# Altium PCB NFC_EEG.PcbDoc (part 2 of 3)
Units mm, origin at the board's own origin, x right, y up, seen from the top; angles counter-clockwise.
Board outline 56 x 56 mm, 4 copper layers (Top Layer, signal1, signal2, Bottom Layer), stack 0.78 mm thick; 398 components, 204 nets, 1107 pads, 469 vias.
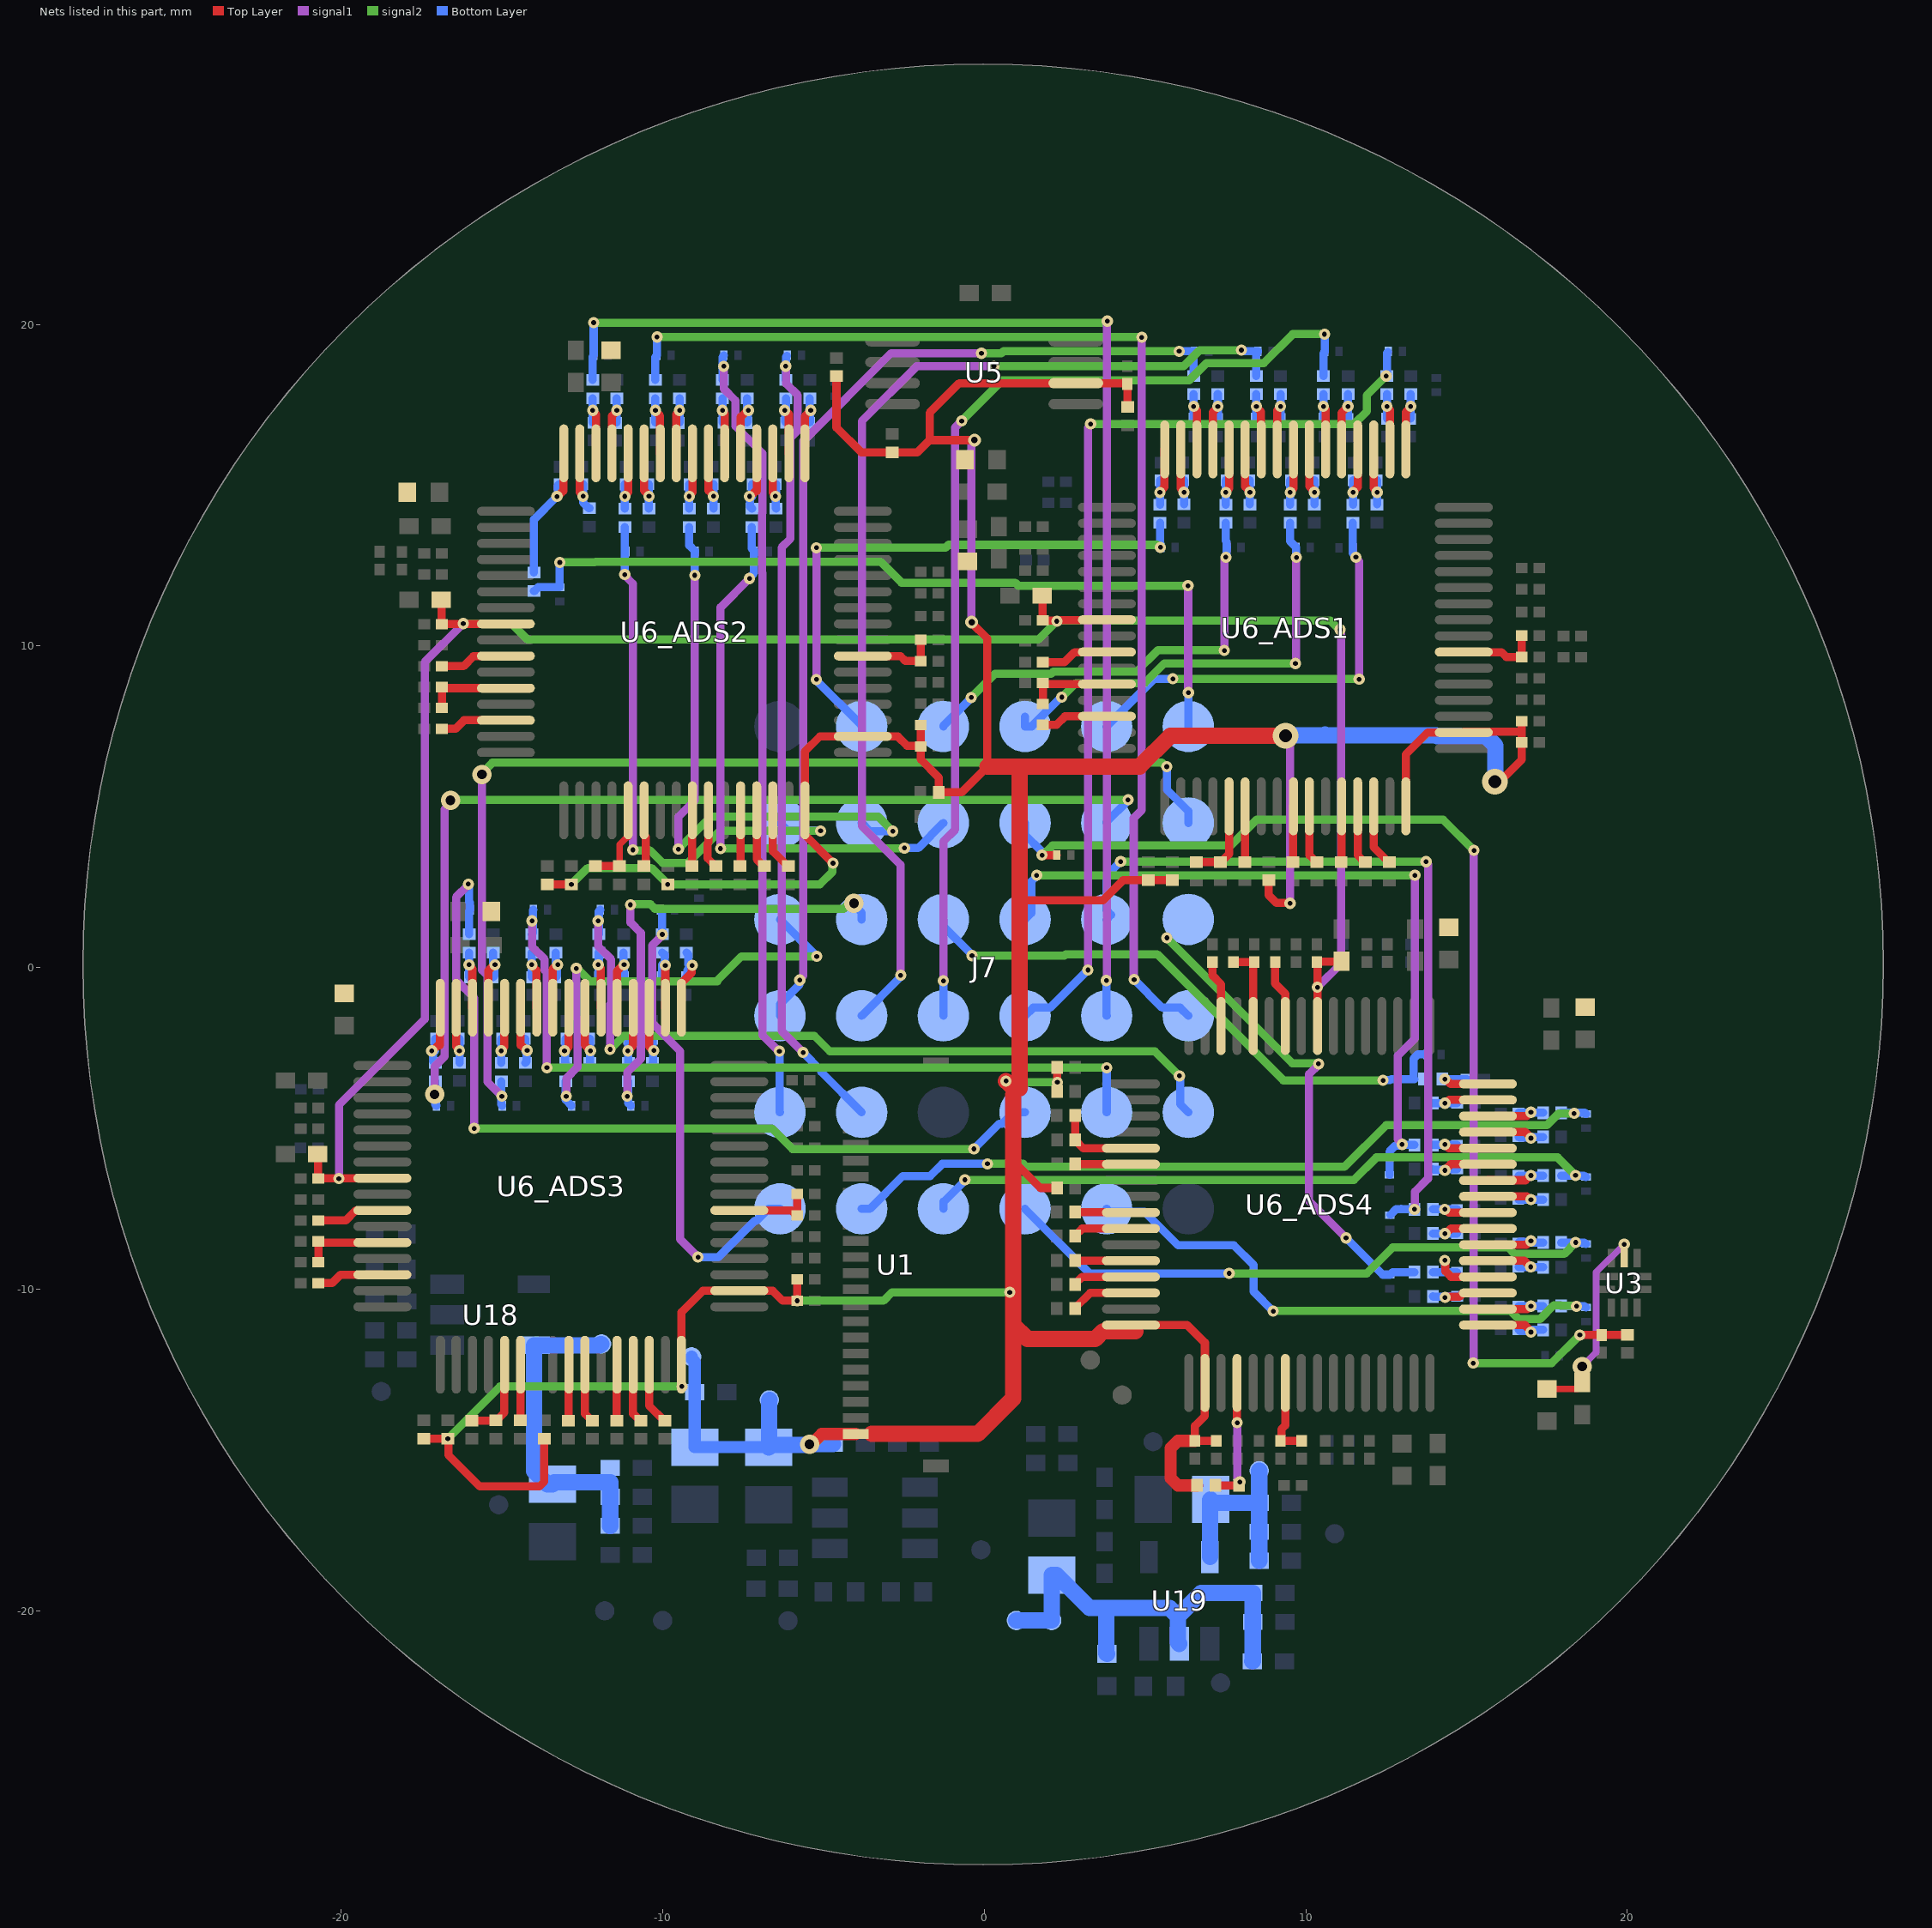
[diagram p4: the nets of this part, all layers, seen from the top]

## Via types
v1: diameter 0.35, hole 0.15, Top Layer to Bottom Layer, tented both sides, 392 vias
v2: diameter 0.6, hole 0.3, Top Layer to Bottom Layer, tented both sides, 66 vias
v3: diameter 0.8, hole 0.4, Top Layer to Bottom Layer, tented both sides, 8 vias
v4: diameter 0.4, hole 0.2, Top Layer to Bottom Layer, tented both sides, 2 vias
v5: diameter 0.6, hole 0.3, Top Layer to Bottom Layer, 1 vias

## Nets (pads, with @x,y where several pads share a name; then routed paths per layer and width w, separated by ;. In a path a pad name is that pad's centre, name@x,y a point inside that pad or via, vN(x,y) a via of type N, cw(c..) or ccw(c..) an arc to the next point about the centre after c; other vN are vias at no path point)
3V3: C18.1 C35_ADS1.1 C35_ADS2.1 C35_ADS3.1 C35_ADS4.1 C36_ADS1.1 C36_ADS2.1 C36_ADS3.1 C36_ADS4.1 C97.1 C102.1 L1.1 L3.1 R1.1 R15.1 R16.1 R17.1 R23.1 R25_ADS1.1 R25_ADS2.1 R25_ADS3.1 R25_ADS4.1 R33_ADS1.1 R33_ADS2.1 R33_ADS3.1 R33_ADS4.1 R34_ADS1.1 R34_ADS2.1 R34_ADS3.1 R34_ADS4.1 TP3.1 TP9.1 U1.1 U5.6 U6_ADS1.48 U6_ADS1.50 U6_ADS2.48 U6_ADS2.50 U6_ADS3.48 U6_ADS3.50 U6_ADS4.48 U6_ADS4.50 | length 162.1
  Top Layer w0.254: R34_ADS3.1@-17.431,-14.646 v1(-16.681,-14.646) -16.665,-14.646 -16.665,-15.154 -15.685,-16.134 -13.834,-16.134 -13.681,-15.981 R25_ADS3.1@-13.681,-14.646 ; R34_ADS2.1@-13.59,2.591 v1(-12.84,2.591) ; U6_ADS3.48@-9.416,-12.346 -9.416,-10.716 -8.751,-10.051 -7.621,-10.051 U6_ADS3.50@-7.616,-10.046 -7.611,-10.051 -6.574,-10.051 -6.267,-10.358 v1(-5.815,-10.358) C35_ADS3.1@-5.815,-9.694 ; v1(-4.701,3.249) -4.701,3.253 -5.575,4.127 U6_ADS2.48@-5.575,4.891 -5.575,6.725 -5.109,7.191 U6_ADS2.50@-3.775,7.191 -3.77,7.186 -2.686,7.186 -2.4,6.9 -1.995,6.9 C36_ADS2.1@-1.974,6.879 ; R15.1@-4.594,18.391 -4.594,16.794 -3.824,16.024 R16.1@-2.861,16.024 -2.076,16.024 -1.698,16.402 v4@-0.405,16.402 ; C35_ADS2.1@-1.974,7.543 C36_ADS2.1@-1.974,6.879 ; -1.698,16.402 -1.698,17.254 -0.777,18.175 U5.6@2.85,18.175 2.861,18.164 4.438,18.164 C18.1@4.449,18.153 4.454,18.148 4.454,17.437 R17.1@4.459,17.432 ; v4(-0.392,10.741) -0.392,10.723 0.1,10.231 0.1,6.252 -0.702,5.45 R23.1@-1.415,5.45 -1.415,5.915 -1.974,6.474 C36_ADS2.1@-1.974,6.879 ; 1.067,-6.167 1.75,-6.85 R25_ADS4.1@2.265,-6.85 ; 1.1,2.1 3.7,2.1 4.315,2.715 R34_ADS1.1@5.1,2.715 R33_ADS1.1@5.85,2.715 ; R33_ADS4.1@2.265,-3.85 2.271,-3.844 2.271,-3.572 v1(2.276,-3.566) 2.271,-3.56 2.271,-3.106 R34_ADS4.1@2.265,-3.1 ; U6_ADS4.48@4.7,-11.115 6.315,-11.115 6.865,-11.665 U6_ADS4.50@6.865,-12.915 6.86,-12.92 6.86,-13.94 6.553,-14.247 C36_ADS4.1@6.553,-14.716 C35_ADS4.1@7.217,-14.716 ; R25_ADS1.1@8.85,2.715 8.85,2.25 9.082,2.018 9.495,2.018 v1(9.514,2) ; U6_ADS1.48@13.115,5.015 13.115,6.633 13.792,7.31 U6_ADS1.50@14.91,7.31 ; U6_ADS1.50@14.915,7.335 16.716,7.335 ; v3(15.888,5.788) 16.035,5.788 16.716,6.468 C36_ADS1.1@16.716,7.003 16.716,7.335 ; C35_ADS1.1@16.716,7.667 16.716,7.335
  Top Layer w0.381: v2(-5.433,-14.823) -5.374,-14.823 -5.051,-14.5 U1.1@-4,-14.5 ; C36_ADS4.1@6.553,-14.716 6.023,-14.716 5.8,-14.939 5.8,-15.877 6.023,-16.1 R1.1@6.615,-16.1
  Top Layer w0.508: -3.5,-14.5 -0.2,-14.5 0.9,-13.4 0.9,-11.1 ; 0.1,6.252 1.1,6.252 ; v1(0.679,-3.526) 0.904,-3.75 1.1,-3.75 1.1,2.1 1.1,6.252 ; 0.9,-3.95 0.9,-11.1 ; 4.7,-11.3 3.7,-11.3 3.456,-11.544 1.344,-11.544 0.9,-11.1 ; v3(9.368,7.206) 5.789,7.206 4.835,6.252 1.1,6.252
  signal1 w0.254: v4@-0.405,16.402 -0.398,16.395 -0.398,10.748 v4(-0.392,10.741) ; v3(9.368,7.206) 9.368,7.058 9.514,6.912 v1(9.514,2)
  signal2 w0.254: v1(-16.681,-14.646) -15.058,-13.023 v1(-9.4,-13.023) ; v1(-12.84,2.591) -12.331,3.1 -10.349,3.1 v1(-9.84,2.591) -5.109,2.591 -4.719,2.981 -4.719,3.231 v1(-4.701,3.249) ; v1(-5.815,-10.358) -3.131,-10.358 -2.868,-10.095 v1(0.795,-10.095) ; v1(0.679,-3.526) 0.705,-3.526 0.746,-3.566 v1(2.276,-3.566)
  Bottom Layer w0.381: TP9.1@-9.1,-12.1 -9.1,-12.159 -9,-12.259 C102.1@-9,-13.2 L3.1@-9,-14.91 -6.71,-14.91 L1.1@-6.7,-14.92
  Bottom Layer w0.508: L1.1@-6.7,-14.92 L1.1@-6.69,-14.91 ; TP3.1@-6.681,-13.44 -6.69,-13.45 L1.1@-6.69,-14.91 ; C97.1@-4.7,-14.81 -4.704,-14.814 -5.424,-14.814 -5.451,-14.84 -6.62,-14.84 L1.1@-6.69,-14.91 ; v3(9.368,7.206) 9.39,7.228 10.578,7.228 10.6,7.25 10.625,7.225 14.055,7.225 14.08,7.2 15.602,7.2 15.9,6.902 v3@15.9,5.8
  other v4: -0.305,16.402
+2.5v: C106.1 C107.1 C108.1 L4.1 TP8.1 U18.5 | length 9.9
  Bottom Layer w0.508: TP8.1@-11.9,-11.7 -11.925,-11.7 -11.965,-11.74 U18.5@-14,-11.74 -14,-15.652 -13.586,-16.066 L4.1@-13.431,-16.066 -13.371,-16.006 -11.631,-16.006 C108.1@-11.631,-16.456 C107.1@-11.631,-17.356
-2.5v: C112.1 C113.1 C114.1 L5.1 TP13.1 U19.5 | length 6.1
  Bottom Layer w0.508: U19.5@7.02,-18.323 7.031,-18.312 7.031,-16.551 L5.1@7.042,-16.54 7.138,-16.636 C114.1@8.548,-16.636 ; C113.1@8.552,-18.44 C112.1@8.552,-17.54 C114.1@8.552,-16.64 TP13.1@8.552,-15.64
-VCCOUT: C101.1 C110.1 C111.1 L2.2 R57.2 TP4.1 TP14.1 U19.2 | length 14.1
  Bottom Layer w0.508: TP4.1@1,-20.3 TP14.1@2.1,-20.3 L2.2@2.1,-18.89 2.255,-18.89 3.28,-19.915 3.8,-19.915 ; R57.2@3.82,-21.338 3.8,-21.318 3.8,-19.915 ; U19.2@6.061,-21.032 U19.2@6.07,-21.023 6.024,-20.977 6.024,-20.166 ; C101.1@8.338,-21.568 8.348,-21.568 8.352,-21.564 C110.1@8.352,-20.34 C111.1@8.352,-19.44 6.75,-19.44 6.024,-20.166 ; 3.8,-19.915 5.772,-19.915 6.024,-20.166
ADS1_BIAS_DRV: C64.1 R21.2 U3.9 | length 6
  Top Layer w0.203: R21.2@17.5,-13.1 18.45,-13.1 18.6,-12.95 C64.1@18.6,-12.9 ; U3.9@19.9,-9.031 19.902,-9.03 v1(19.904,-8.6) v1(19.904,-8.6)
  signal1 w0.203: v5(18.6,-12.4) 19.029,-11.971 19.029,-9.471 19.9,-8.6 v1(19.904,-8.6)
ADS1_CLK_ADS1: R27_ADS1.2 R31_ADS1.1 U6_ADS1.37 | length 2.6
  Top Layer w0.254: R31_ADS1.1@6.6,3.28 6.603,3.282 7.347,3.282 R27_ADS1.2@7.35,3.285 7.37,3.285 7.615,3.53 U6_ADS1.37@7.615,5.015
ADS1_CLK_ADS2: R27_ADS2.2 R31_ADS2.1 U6_ADS2.37 | length 2.6
  Top Layer w0.203: R27_ADS2.2@-11.34,3.161 -11.34,3.826 U6_ADS2.37@-11.08,4.086
  Top Layer w0.254: R31_ADS2.1@-12.09,3.156 -12.087,3.159 -11.342,3.159 R27_ADS2.2@-11.34,3.161 ; U6_ADS2.37@-11.08,4.086 -11.08,4.886 U6_ADS2.37@-11.075,4.891
ADS1_CLK_ADS3: R27_ADS3.2 R31_ADS3.1 U6_ADS3.37 | length 2.6
  Top Layer w0.254: R31_ADS3.1@-15.935,-14.085 R31_ADS3.1@-15.931,-14.081 -15.187,-14.082 -15.185,-14.08 -15.165,-14.08 -14.92,-13.835 U6_ADS3.37@-14.92,-12.35
ADS1_CLK_ADS4: R27_ADS4.2 R31_ADS4.1 U6_ADS4.37 | length 2.6
  Top Layer w0.254: R31_ADS4.1@2.83,-4.6 2.832,-4.603 2.832,-5.347 R27_ADS4.2@2.835,-5.35 2.835,-5.37 3.08,-5.615 U6_ADS4.37@4.565,-5.615
ADS1_CLKSEL_ADS4: R1.2 R2.2 U6_ADS4.52 | length 3.9
  Top Layer w0.254: R1.2@7.185,-16.1 7.842,-16.1 v1(7.952,-15.99) ; v1@7.86,-14.16 7.86,-12.92 U6_ADS4.52@7.865,-12.915
  signal1 w0.254: v1(7.869,-14.151) 7.869,-15.907 v1(7.952,-15.99)
ADS1_DAISY_IN_ADS1: R38_ADS1.1 U6_ADS1.41 | length 1.7
  Top Layer w0.254: R38_ADS1.1@9.6,3.28 9.61,3.29 9.61,5.01 U6_ADS1.41@9.615,5.015
ADS1_DAISY_IN_ADS2: R38_ADS2.1 U6_ADS2.41 | length 1.7
  Top Layer w0.254: R38_ADS2.1@-9.09,3.156 -9.08,3.166 -9.08,4.886 U6_ADS2.41@-9.075,4.891
ADS1_DAISY_IN_ADS3: R38_ADS3.1 U6_ADS3.41 | length 1.7
  Top Layer w0.254: R38_ADS3.1@-12.935,-14.085 -12.925,-14.075 -12.925,-12.355 U6_ADS3.41@-12.92,-12.35
ADS1_DAISY_IN_ADS4: R38_ADS4.1 U6_ADS4.41 | length 1.7
  Top Layer w0.254: R38_ADS4.1@2.83,-7.6 2.84,-7.61 4.56,-7.61 U6_ADS4.41@4.565,-7.615
ADS1_GPIO1_ADS1: R37_ADS1.1 U6_ADS1.42 | length 1.8
  Top Layer w0.254: U6_ADS1.42@10.115,5.015 10.115,3.495 10.33,3.28 R37_ADS1.1@10.35,3.28
ADS1_GPIO1_ADS2: R37_ADS2.1 U6_ADS2.42 | length 1.8
  Top Layer w0.254: U6_ADS2.42@-8.575,4.891 -8.58,4.886 -8.58,3.894 -8.604,3.869 -8.604,3.401 R37_ADS2.1@-8.36,3.156
ADS1_GPIO1_ADS3: R37_ADS3.1 U6_ADS3.42 | length 1.8
  Top Layer w0.254: U6_ADS3.42@-12.42,-12.35 -12.42,-13.87 -12.205,-14.085 R37_ADS3.1@-12.185,-14.085
ADS1_GPIO1_ADS4: R37_ADS4.1 U6_ADS4.42 | length 1.8
  Top Layer w0.254: R37_ADS4.1@2.83,-8.35 2.83,-8.33 3.045,-8.115 U6_ADS4.42@4.565,-8.115
ADS1_GPIO2_ADS1: R29_ADS1.1 U6_ADS1.44 | length 1.7
  Top Layer w0.254: R29_ADS1.1@11.1,3.28 11.11,3.29 11.11,5.01 U6_ADS1.44@11.115,5.015
ADS1_GPIO2_ADS2: R29_ADS2.1 U6_ADS2.44 | length 1.7
  Top Layer w0.254: R29_ADS2.1@-7.59,3.156 -7.58,3.166 -7.58,4.886 U6_ADS2.44@-7.575,4.891
ADS1_GPIO2_ADS3: R29_ADS3.1 U6_ADS3.44 | length 1.7
  Top Layer w0.254: R29_ADS3.1@-11.435,-14.085 -11.425,-14.075 -11.425,-12.355 U6_ADS3.44@-11.42,-12.35
ADS1_GPIO2_ADS4: R29_ADS4.1 U6_ADS4.44 | length 1.7
  Top Layer w0.254: R29_ADS4.1@2.83,-9.1 2.84,-9.11 4.56,-9.11 U6_ADS4.44@4.565,-9.115
ADS1_GPIO3_ADS1: R28_ADS1.1 U6_ADS1.45 | length 1.8
  Top Layer w0.254: U6_ADS1.45@11.615,5.015 11.615,3.495 11.83,3.28 R28_ADS1.1@11.85,3.28
ADS1_GPIO3_ADS2: R28_ADS2.1 U6_ADS2.45 | length 1.8
  Top Layer w0.254: U6_ADS2.45@-7.075,4.891 -7.075,3.371 -6.86,3.156 R28_ADS2.1@-6.84,3.156
ADS1_GPIO3_ADS3: R28_ADS3.1 U6_ADS3.45 | length 1.8
  Top Layer w0.254: U6_ADS3.45@-10.92,-12.35 -10.92,-13.87 -10.705,-14.085 R28_ADS3.1@-10.685,-14.085
ADS1_GPIO3_ADS4: R28_ADS4.1 U6_ADS4.45 | length 1.8
  Top Layer w0.254: R28_ADS4.1@2.83,-9.85 2.83,-9.83 3.045,-9.615 U6_ADS4.45@4.565,-9.615
ADS1_GPIO4_ADS1: R30_ADS1.1 U6_ADS1.46 | length 1.9
  Top Layer w0.254: U6_ADS1.46@12.115,5.015 12.115,3.745 12.58,3.28 R30_ADS1.1@12.6,3.28
ADS1_GPIO4_ADS2: R30_ADS2.1 U6_ADS2.46 | length 1.9
  Top Layer w0.254: U6_ADS2.46@-6.575,4.891 -6.575,3.621 -6.11,3.156 R30_ADS2.1@-6.09,3.156
ADS1_GPIO4_ADS3: R30_ADS3.1 U6_ADS3.46 | length 1.9
  Top Layer w0.254: U6_ADS3.46@-10.42,-12.35 -10.42,-13.62 -9.955,-14.085 R30_ADS3.1@-9.935,-14.085
ADS1_GPIO4_ADS4: R30_ADS4.1 U6_ADS4.46 | length 1.9
  Top Layer w0.254: R30_ADS4.1@2.83,-10.6 2.83,-10.58 3.295,-10.115 U6_ADS4.46@4.565,-10.115
ADS1_P1: D11_ADS1.1 J7.2 R54_ADS1.2 | length 17.7
  signal1 w0.254: v1(-5.219,8.961) v1(-5.219,13.055) ; v1@5.475,13.063 v1(5.482,13.07)
  signal2 w0.254: v1(-5.219,13.055) -1.203,13.055 -1.112,13.147 5.379,13.147 5.456,13.07 v1(5.482,13.07)
  Bottom Layer w0.254: v1(-5.219,8.961) -5.219,8.935 -3.81,7.526 J7.2@-3.81,7.5 ; R54_ADS1.2@5.465,13.83 5.465,13.106 5.495,13.076 D11_ADS1.1@5.495,13.065
ADS1_P2: D10_ADS1.1 J7.19 R52_ADS1.2 | length 32.3
  signal1 w0.254: v1(-5.735,-0.386) -5.735,-0.36 -5.623,-0.248 -5.623,16.377 -2.896,19.104 v1(-0.084,19.104)
  signal2 w0.254: v1(-0.084,19.104) 0.538,19.104 0.599,19.165 v1(6.065,19.165)
  Bottom Layer w0.254: J7.19@-6.35,-1.5 -6.35,-1.136 -5.753,-0.539 -5.753,-0.404 v1(-5.735,-0.386) ; v1(6.065,19.165) D10_ADS1.1@6.545,19.165 6.545,19.154 6.515,19.124 R52_ADS1.2@6.515,18.4
ADS1_P3: D9_ADS1.1 J7.3 R50_ADS1.2 | length 13.8
  signal1 w0.254: v1(7.469,9.863) 7.469,12.692 7.514,12.736 v1(7.514,12.762)
  signal2 w0.254: v1(-0.404,8.402) 0.33,9.136 2.08,9.136 2.15,9.206 4.736,9.206 5.4,9.87 7.462,9.87 v1(7.469,9.863)
  Bottom Layer w0.254: J7.3@-1.27,7.5 -1.27,7.518 -0.404,8.384 v1(-0.404,8.402) ; v1(7.514,12.762) 7.514,12.788 7.533,12.807 7.533,13.053 D9_ADS1.1@7.545,13.065 7.533,13.077 7.533,13.251 7.515,13.269 R50_ADS1.2@7.515,13.83
ADS1_P4: D8_ADS1.1 J7.20 R48_ADS1.2 | length 33.5
  signal1 w0.254: v1(-2.596,-0.236) -2.603,-0.229 -2.603,3.203 -3.8,4.4 -3.8,17 -2.1,18.7 v1(0.3,18.7)
  signal2 w0.254: v1(0.3,18.7) 6.2,18.7 6.7,19.2 7.997,19.2 v1(8,19.203)
  Bottom Layer w0.254: J7.20@-3.81,-1.5 -2.615,-0.305 -2.615,-0.254 v1(-2.596,-0.236) ; v1(8,19.203) 8.026,19.203 8.064,19.165 D8_ADS1.1@8.515,19.165 8.515,19.154 8.465,19.104 R48_ADS1.2@8.465,18.4
ADS1_P5: D7_ADS1.1 J7.4 R46_ADS1.2 | length 14
  signal1 w0.254: v1(9.678,9.459) 9.694,9.475 9.694,12.74 v1(9.709,12.755)
  signal2 w0.254: v1@2.414,8.414 2.417,8.414 2.853,8.85 4.991,8.85 5.6,9.459 v1(9.678,9.459)
  Bottom Layer w0.254: J7.4@1.27,7.804 J7.4@1.27,7.5 1.477,7.5 2.388,8.411 v1(2.414,8.411) ; R46_ADS1.2@9.515,13.83 9.515,13.256 9.695,13.076 D7_ADS1.1@9.695,13.065 9.702,13.057 9.702,12.763 v1(9.709,12.755)
ADS1_P6: D6_ADS1.1 J7.21 R44_ADS1.2 | length 32.5
  signal1 w0.254: v1(-1.27,-0.41) -1.27,3.923 -0.9,4.293 -0.9,16.8 v1(-0.7,17)
  signal2 w0.254: v1(-0.7,17) 0.567,18.267 6.382,18.267 6.914,18.799 8.699,18.799 9.597,19.697 v1(10.582,19.697)
  Bottom Layer w0.254: J7.21@-1.27,-1.5 v1(-1.27,-0.41) ; R44_ADS1.2@10.55,18.4 10.55,19.109 10.595,19.154 D6_ADS1.1@10.595,19.165 10.589,19.171 10.589,19.691 v1(10.582,19.697)
ADS1_P7: D5_ADS1.1 J7.5 R42_ADS1.2 | length 13.2
  signal1 w0.254: v1(11.661,8.968) v1@11.661,12.635
  signal2 w0.254: v1(5.867,8.98) 5.874,8.974 11.655,8.974 v1(11.661,8.968)
  Bottom Layer w0.254: J7.5@3.81,7.5 5.29,8.98 v1(5.867,8.98) ; R42_ADS1.2@11.466,13.83 11.466,12.882 11.56,12.788 v1(11.56,12.762)
ADS1_P8: D4_ADS1.1 J7.22 R40_ADS1.2 | length 30.4
  signal1 w0.254: v1(3.227,-0.072) 3.227,16.795 3.311,16.878 v1(3.311,16.904)
  signal2 w0.254: v1(3.311,16.904) 11.504,16.904 11.9,17.3 11.9,17.8 12.496,18.396 v1(12.5,18.396)
  Bottom Layer w0.254: J7.22@1.27,-1.5 1.528,-1.242 2.05,-1.242 v1@3.221,-0.072 ; v1(12.5,18.396) 12.521,18.396 R40_ADS1.2@12.524,18.4 12.524,19.113 D4_ADS1.1@12.553,19.142
ADS1_SRB1_ADS1: R35_ADS1.2
ADS1_SRB1_ADS2: R35_ADS2.2
ADS1_SRB1_ADS3: R35_ADS3.2
ADS1_SRB1_ADS4: R35_ADS4.2
ADS1_SRB2_ADS1: R32_ADS1.2
ADS1_SRB2_ADS2: R32_ADS2.2
ADS1_SRB2_ADS3: R32_ADS3.2
ADS1_SRB2_ADS4: R32_ADS4.2
ADS1_START_ADS1: R26_ADS1.2 U6_ADS1.38 | length 1.7
  Top Layer w0.254: R26_ADS1.2@8.1,3.285 8.11,3.295 8.11,5.01 U6_ADS1.38@8.115,5.015
ADS1_START_ADS2: R26_ADS2.2 U6_ADS2.38 | length 1.8
  Top Layer w0.254: R26_ADS2.2@-10.59,3.161 -10.573,3.161 -10.52,3.214 -10.52,4.069 -10.575,4.124 U6_ADS2.38@-10.575,4.891
ADS1_START_ADS3: R26_ADS3.2 U6_ADS3.38 | length 1.7
  Top Layer w0.254: R26_ADS3.2@-14.435,-14.08 -14.425,-14.07 U6_ADS3.38@-14.425,-12.355
ADS1_START_ADS4: R26_ADS4.2 U6_ADS4.38 | length 1.7
  Top Layer w0.254: R26_ADS4.2@2.835,-6.1 2.845,-6.11 4.56,-6.11 U6_ADS4.38@4.565,-6.115
ADS1_VCAP1_ADS1: C42_ADS1.1 C43_ADS1.1 U6_ADS1.28 | length 2.7
  Top Layer w0.254: C42_ADS1.1@1.824,8.2 C43_ADS1.1@1.824,8.85 1.846,8.85 1.882,8.815 U6_ADS1.28@3.815,8.815
ADS1_VCAP1_ADS2: C42_ADS2.1 C43_ADS2.1 U6_ADS2.28 | length 2.7
  Top Layer w0.254: C42_ADS2.1@-16.866,8.076 C43_ADS2.1@-16.866,8.726 -16.843,8.726 -16.808,8.691 U6_ADS2.28@-14.875,8.691
ADS1_VCAP1_ADS3: C42_ADS3.1 C43_ADS3.1 U6_ADS3.28 | length 2.7
  Top Layer w0.254: C42_ADS3.1@-20.707,-9.161 C43_ADS3.1@-20.707,-8.511 -20.685,-8.511 -20.649,-8.546 U6_ADS3.28@-18.716,-8.546
ADS1_VCAP1_ADS4: C42_ADS4.1 C43_ADS4.1 U6_ADS4.28 | length 2.7
  Top Layer w0.254: C42_ADS4.1@7.75,0.176 C43_ADS4.1@8.4,0.176 8.4,0.154 8.365,0.118 U6_ADS4.28@8.365,-1.815
ADS1_VCAP2_ADS1: C44_ADS1.1 U6_ADS1.30 | length 2.1
  Top Layer w0.254: C44_ADS1.1@1.824,7.55 2.25,7.55 2.515,7.815 U6_ADS1.30@3.815,7.815
ADS1_VCAP2_ADS2: C44_ADS2.1 U6_ADS2.30 | length 2.1
  Top Layer w0.254: C44_ADS2.1@-16.866,7.426 -16.44,7.426 -16.175,7.691 U6_ADS2.30@-14.875,7.691
ADS1_VCAP2_ADS3: C44_ADS3.1 U6_ADS3.30 | length 2.1
  Top Layer w0.254: C44_ADS3.1@-20.707,-9.811 -20.281,-9.811 -20.016,-9.546 U6_ADS3.30@-18.716,-9.546
ADS1_VCAP2_ADS4: C44_ADS4.1 U6_ADS4.30 | length 2.1
  Top Layer w0.254: C44_ADS4.1@7.1,0.176 7.1,-0.25 7.365,-0.515 U6_ADS4.30@7.365,-1.815
ADS1_VCAP3_ADS1: C29_ADS1.1 C30_ADS1.1 U6_ADS1.55 | length 2.5
  Top Layer w0.254: U6_ADS1.55@14.915,9.815 14.92,9.81 16.09,9.81 16.24,9.66 C29_ADS1.1@16.716,9.66 C30_ADS1.1@16.716,10.324
ADS1_VCAP3_ADS2: C29_ADS2.1 C30_ADS2.1 U6_ADS2.55 | length 2.5
  Top Layer w0.254: U6_ADS2.55@-3.775,9.691 -3.77,9.686 -2.599,9.686 -2.449,9.536 C29_ADS2.1@-1.974,9.536 C30_ADS2.1@-1.974,10.2
ADS1_VCAP3_ADS3: C29_ADS3.1 C30_ADS3.1 U6_ADS3.55 | length 2.5
  Top Layer w0.254: U6_ADS3.55@-7.616,-7.546 -5.992,-7.546 -5.837,-7.701 C29_ADS3.1@-5.819,-7.701 ; C30_ADS3.1@-5.819,-7.041 C29_ADS3.1@-5.819,-7.701 ; C29_ADS3.1@-5.815,-7.701 C29_ADS3.1@-5.819,-7.701
ADS1_VCAP3_ADS4: C29_ADS4.1 C30_ADS4.1 U6_ADS4.55 | length 2.5
  Top Layer w0.254: U6_ADS4.55@9.365,-12.915 9.365,-14.232 9.245,-14.352 9.245,-14.681 C29_ADS4.1@9.21,-14.716 C30_ADS4.1@9.874,-14.716
ADS1_VCAP4_ADS1: C41_ADS1.1 U6_ADS1.26 | length 2.1
  Top Layer w0.254: C41_ADS1.1@1.824,9.5 2.5,9.5 2.81,9.81 3.81,9.81 U6_ADS1.26@3.815,9.815
ADS1_VCAP4_ADS2: C41_ADS2.1 U6_ADS2.26 | length 2.1
  Top Layer w0.254: C41_ADS2.1@-16.866,9.376 -16.19,9.376 -15.88,9.686 -14.88,9.686 U6_ADS2.26@-14.875,9.691
ADS1_VCAP4_ADS3: C41_ADS3.1 U6_ADS3.26 | length 2.1
  Top Layer w0.254: C41_ADS3.1@-20.707,-7.861 -19.855,-7.861 -19.545,-7.551 -18.721,-7.551 U6_ADS3.26@-18.716,-7.546
ADS1_VCAP4_ADS4: C41_ADS4.1 U6_ADS4.26 | length 2.1
  Top Layer w0.254: C41_ADS4.1@9.05,0.176 9.05,-0.5 9.36,-0.81 9.36,-1.81 U6_ADS4.26@9.365,-1.815
ADS1_VREFP: C39_ADS1.1 C39_ADS2.1 C39_ADS3.1 C39_ADS4.1 C40_ADS1.1 C40_ADS2.1 C40_ADS3.1 C40_ADS4.1 U6_ADS1.24 U6_ADS2.24 U6_ADS3.24 U6_ADS4.24 | length 69.2
  Top Layer w0.254: C39_ADS3.1@-20.732,-5.796 -20.72,-5.808 -20.72,-6.548 -20.717,-6.551 -18.721,-6.551 U6_ADS3.24@-18.716,-6.546 ; C39_ADS2.1@-16.891,11.441 -16.878,11.429 -16.878,10.689 -16.875,10.686 -14.88,10.686 U6_ADS2.24@-14.875,10.691 ; C39_ADS1.1@1.799,11.565 1.811,11.553 1.811,10.813 1.838,10.786 2.244,10.786 v1(2.258,10.773) ; v1@2.258,10.794 2.273,10.81 3.81,10.81 U6_ADS1.24@3.815,10.815 ; C40_ADS4.1@10.346,0.163 10.341,0.167 C40_ADS4.1@10.35,0.176 10.363,0.189 C39_ADS4.1@11.103,0.189 ; U6_ADS4.24@10.365,-1.815 C40_ADS4.1@10.365,0.161
  signal1 w0.254: v1(-20.068,-6.56) -20.068,-4.268 -17.4,-1.6 -17.4,9.5 v1(-16.2,10.7) ; v1(10.364,-0.61) 11.1,0.126 11.1,10.414 11.089,10.425 11.089,10.492 v1(11.071,10.511)
  signal2 w0.254: v1(-16.2,10.7) -16.194,10.694 -14.694,10.694 -14.2,10.2 1.682,10.2 2.255,10.773 v1(2.258,10.773) ; v1@2.258,10.794 10.762,10.794 11.045,10.511 v1(11.071,10.511)
ADS2_P1: D11_ADS2.1 J7.6 R54_ADS2.2 | length 25.9
  signal1 w0.254: v1(6.338,11.874) 6.344,11.868 6.344,8.556 v1(6.35,8.55)
  signal2 w0.254: v1(-13.2,12.6) -12.105,12.6 -12.08,12.625 -3.223,12.625 -2.569,11.971 -0.804,11.971 -0.802,11.969 0.966,11.969 1.06,11.874 v1(6.338,11.874)
  Bottom Layer w0.254: R54_ADS2.2@-14,11.715 -13.98,11.715 -13.868,11.827 D11_ADS2.1@-13.2,11.827 v1(-13.2,12.6) v1@-13.197,12.603 ; J7.6@6.35,7.5 v1(6.35,8.55)
ADS2_P2: D10_ADS2.1 J7.23 R52_ADS2.2 | length 39.4
  signal1 w0.254: v1(3.8,-0.4) 3.815,-0.385 3.815,20.087 v1(3.831,20.102)
  signal2 w0.254: v1(-12.145,20.055) 3.758,20.055 3.805,20.102 v1(3.831,20.102)
  Bottom Layer w0.254: R52_ADS2.2@-12.175,18.276 D10_ADS2.1@-12.175,19 ; D10_ADS2.1@-12.145,19.041 v1(-12.145,20.055) ; v1(3.8,-0.4) 3.805,-0.405 3.805,-1.495 J7.23@3.81,-1.5
ADS2_P3: D9_ADS2.1 J7.7 R50_ADS2.2 | length 18.1
  signal1 w0.254: v1(-11.179,12.221) -11.179,12.195 -10.924,11.941 v1(-10.924,3.661)
  signal2 w0.254: v1(-10.924,3.661) -10.906,3.643 -10.388,3.643 -10.005,3.259 -9.214,3.259 -8.221,4.253 v1(-5.086,4.253)
  Bottom Layer w0.254: v1(-11.179,12.221) -11.175,12.225 R50_ADS2.2@-11.175,13.706 ; J7.7@-6.35,4.62 J7.7@-6.35,4.5 -6.121,4.271 -5.105,4.271 v1(-5.086,4.253)
ADS2_P4: D8_ADS2.1 J7.24 R48_ADS2.2 | length 38.7
  signal1 w0.254: v1(4.662,-0.369) 4.65,-0.357 4.65,4.65 4.9,4.9 v1(4.9,19.6)
  signal2 w0.254: v1(-10.174,19.611) -10.169,19.606 4.894,19.606 v1(4.9,19.6)
  Bottom Layer w0.254: R48_ADS2.2@-10.225,18.276 -10.225,18.98 -10.175,19.03 v1(-10.174,19.611) ; v1(4.662,-0.369) 5.535,-1.242 6.092,-1.242 J7.24@6.35,-1.5